# Altium PCB PCB1.PcbDoc
Units mil, origin at the board's own origin, x right, y up, seen from the top; angles counter-clockwise.
Board outline 1850.39 x 1850.39 mil, 4 copper layers (Top Layer, PowerAndSingle, Ground, Bottom Layer), stack 23.756 mil thick; 85 components, 66 nets, 354 pads, 332 vias.
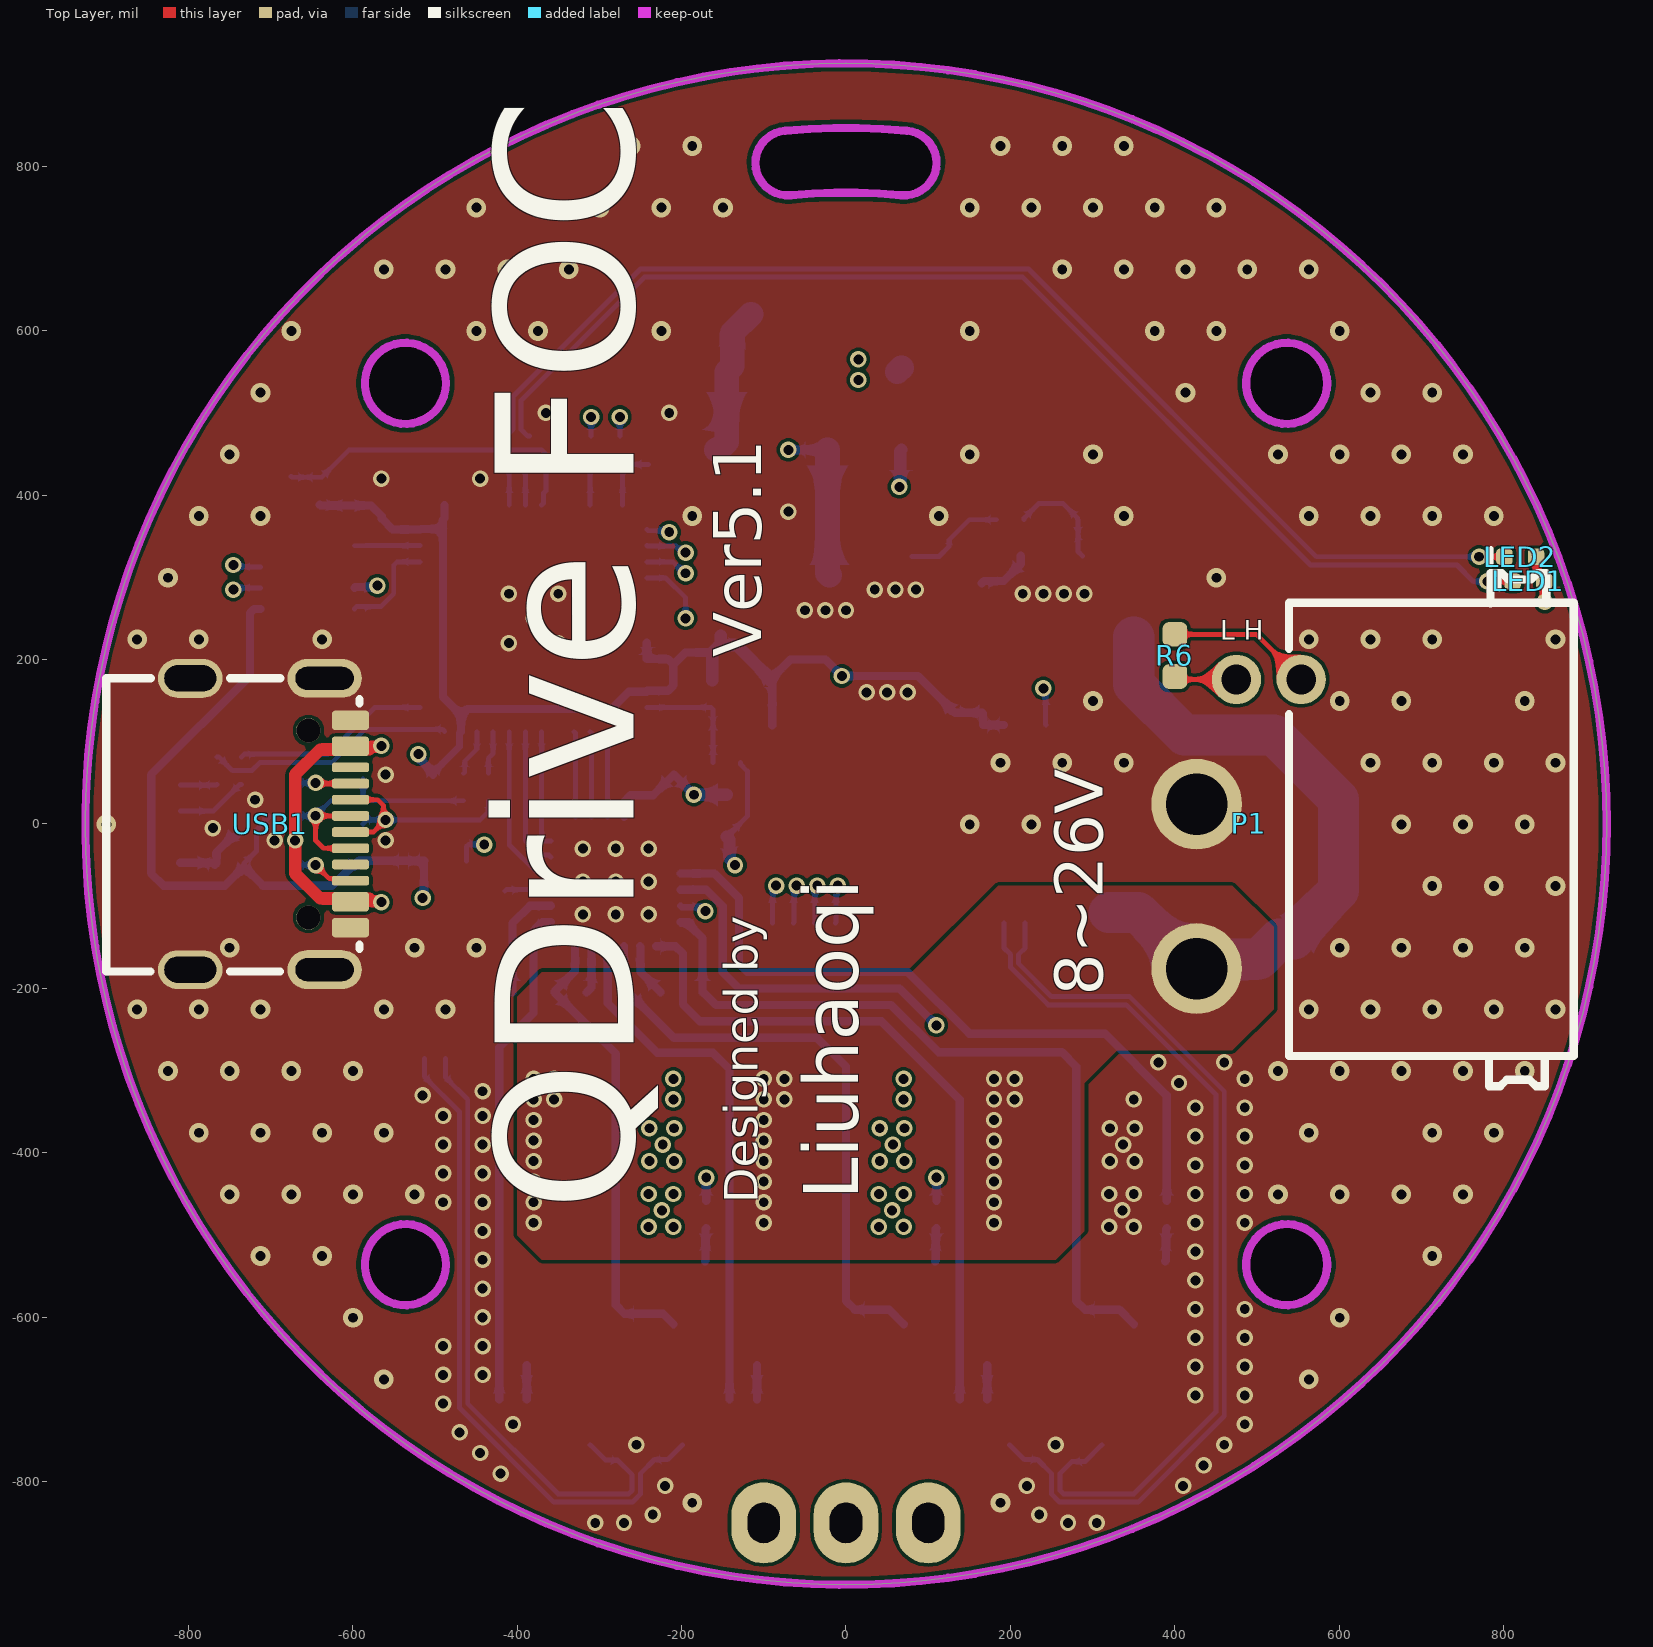
[diagram p0: Top Layer view]
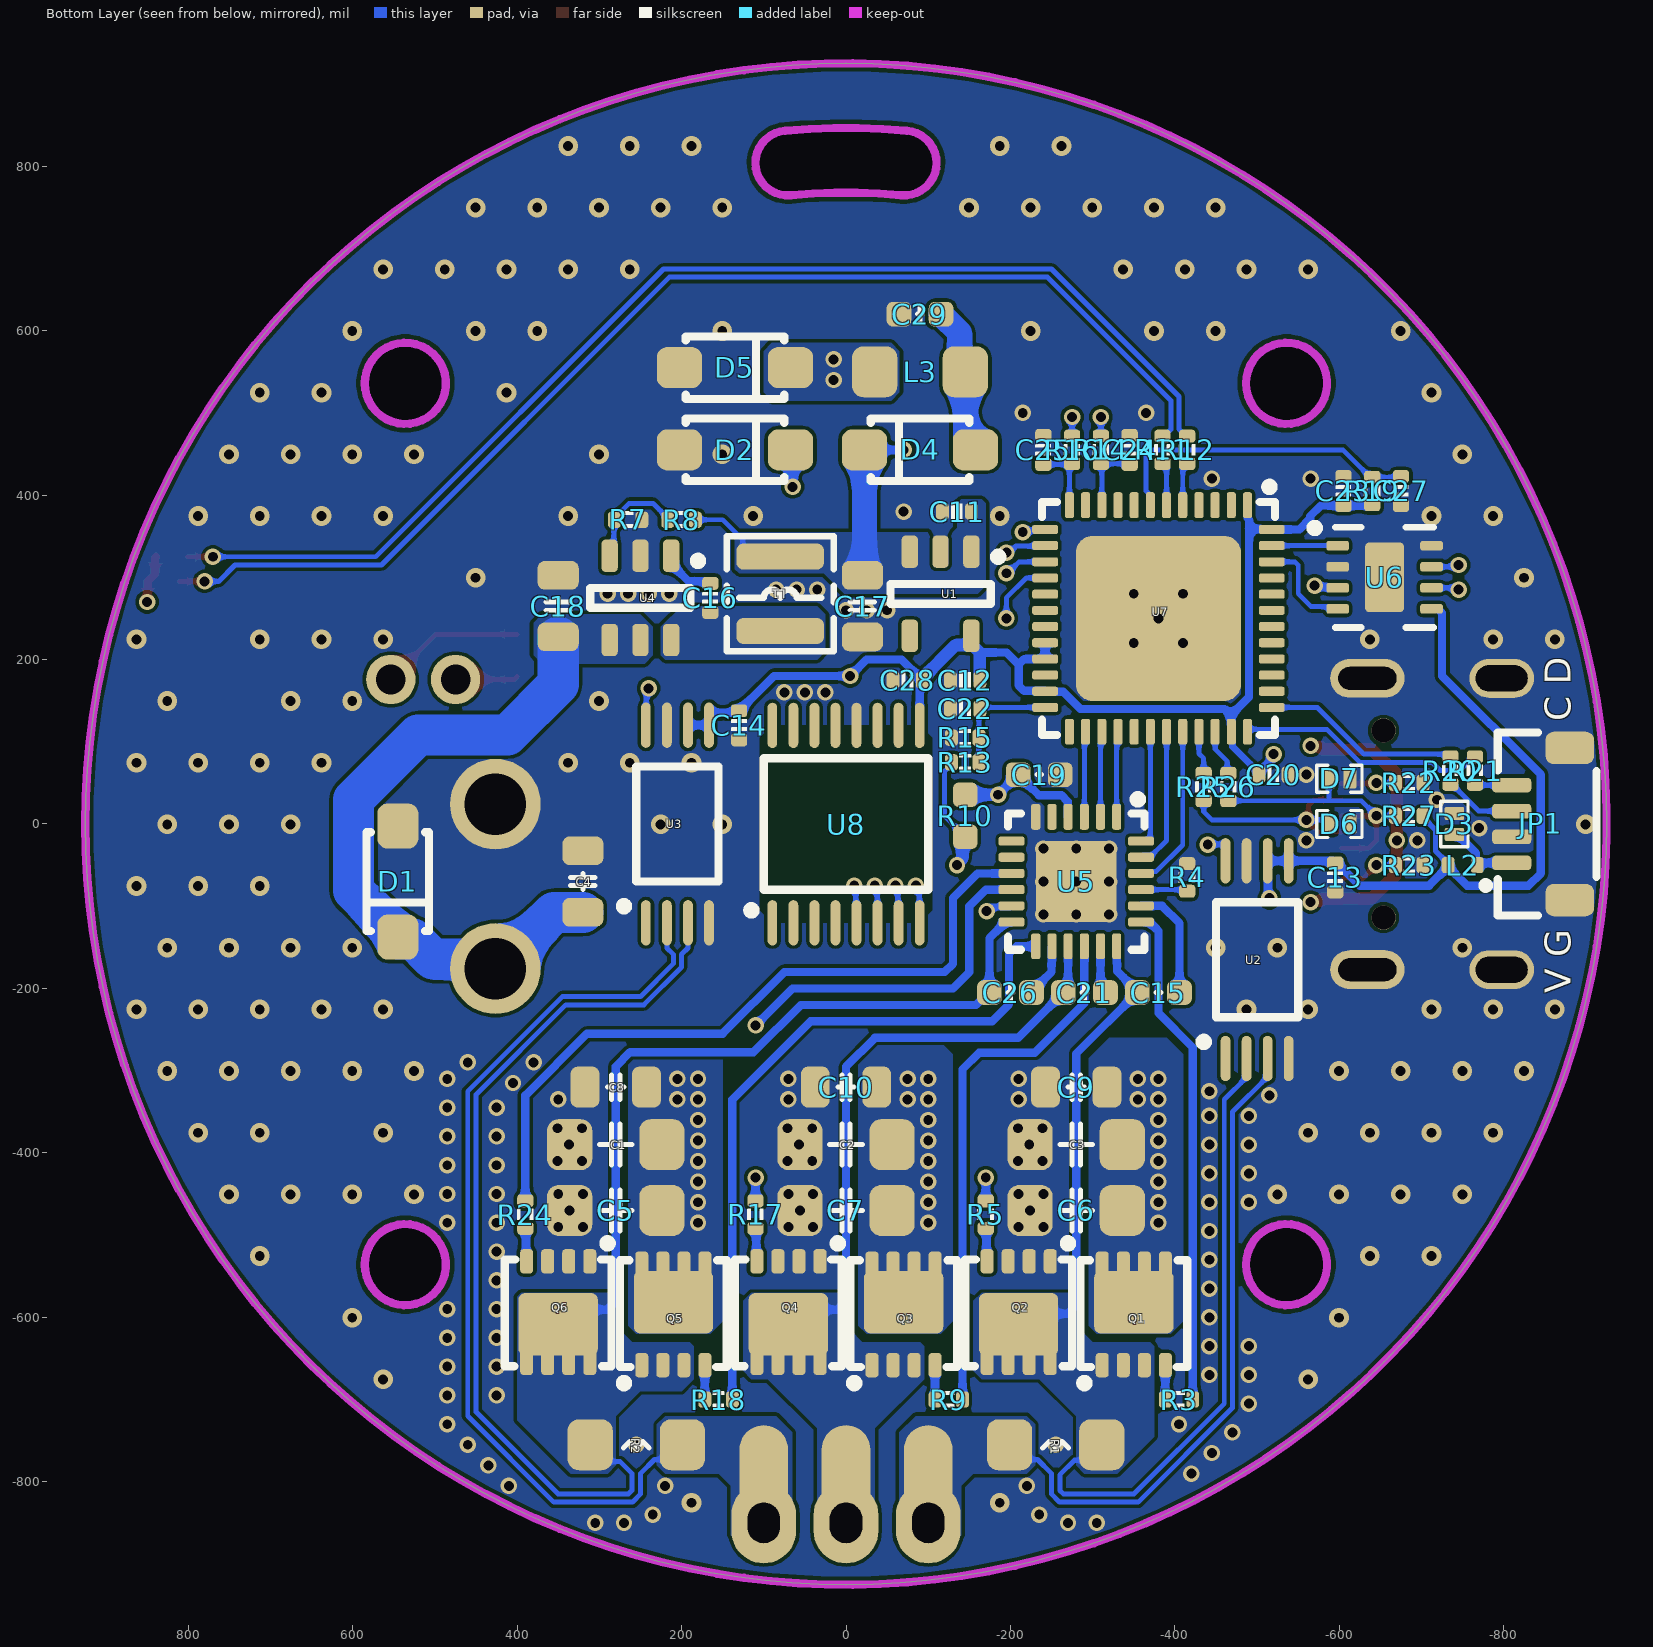
[diagram p1: Bottom Layer view, seen from below]
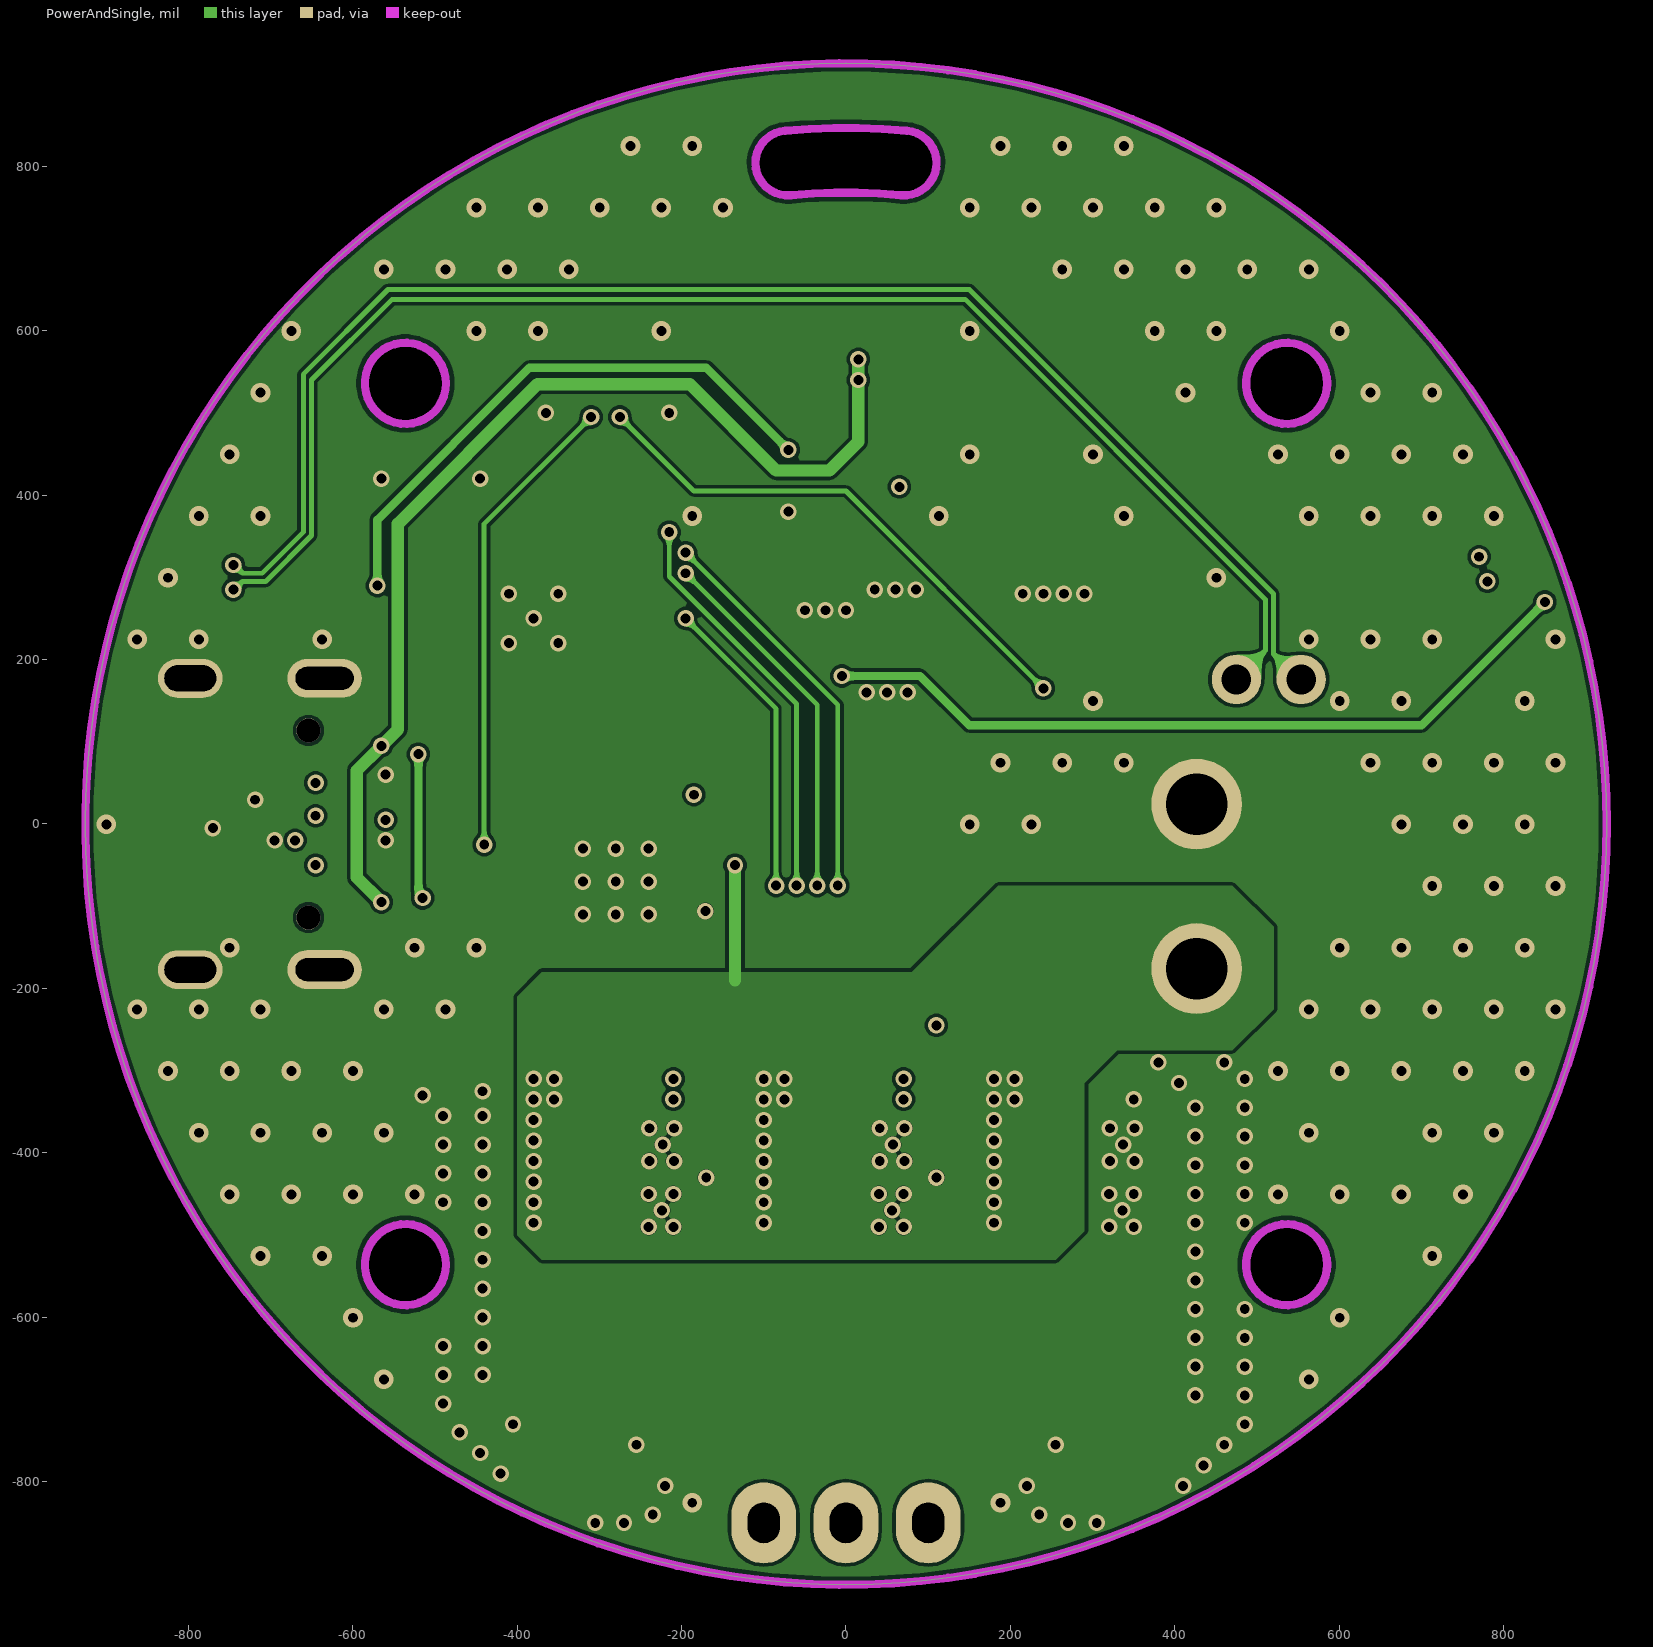
[diagram p2: PowerAndSingle]
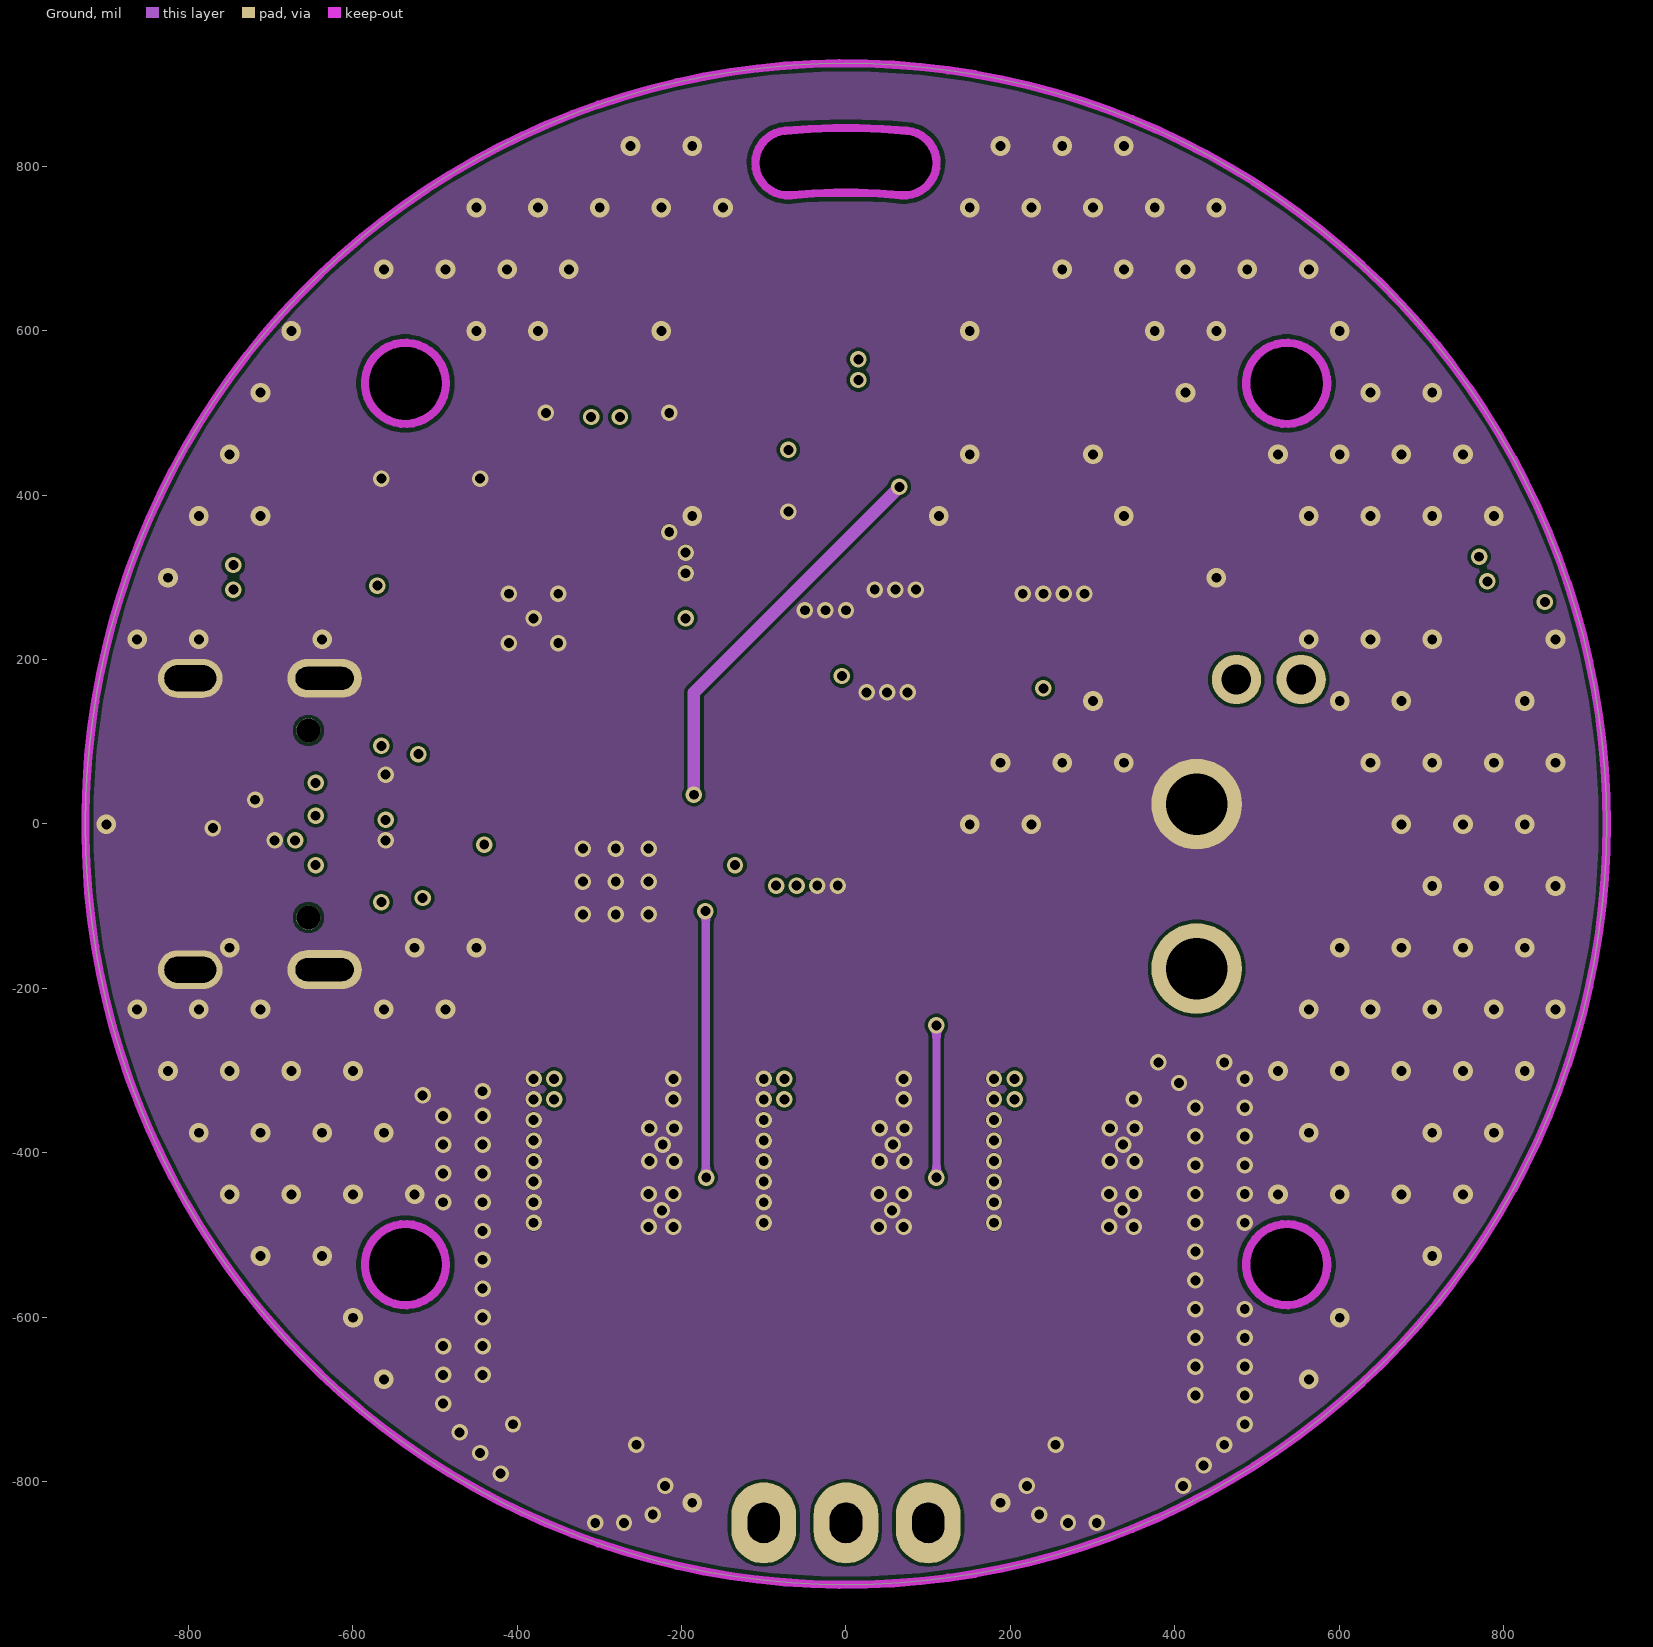
[diagram p3: Ground]
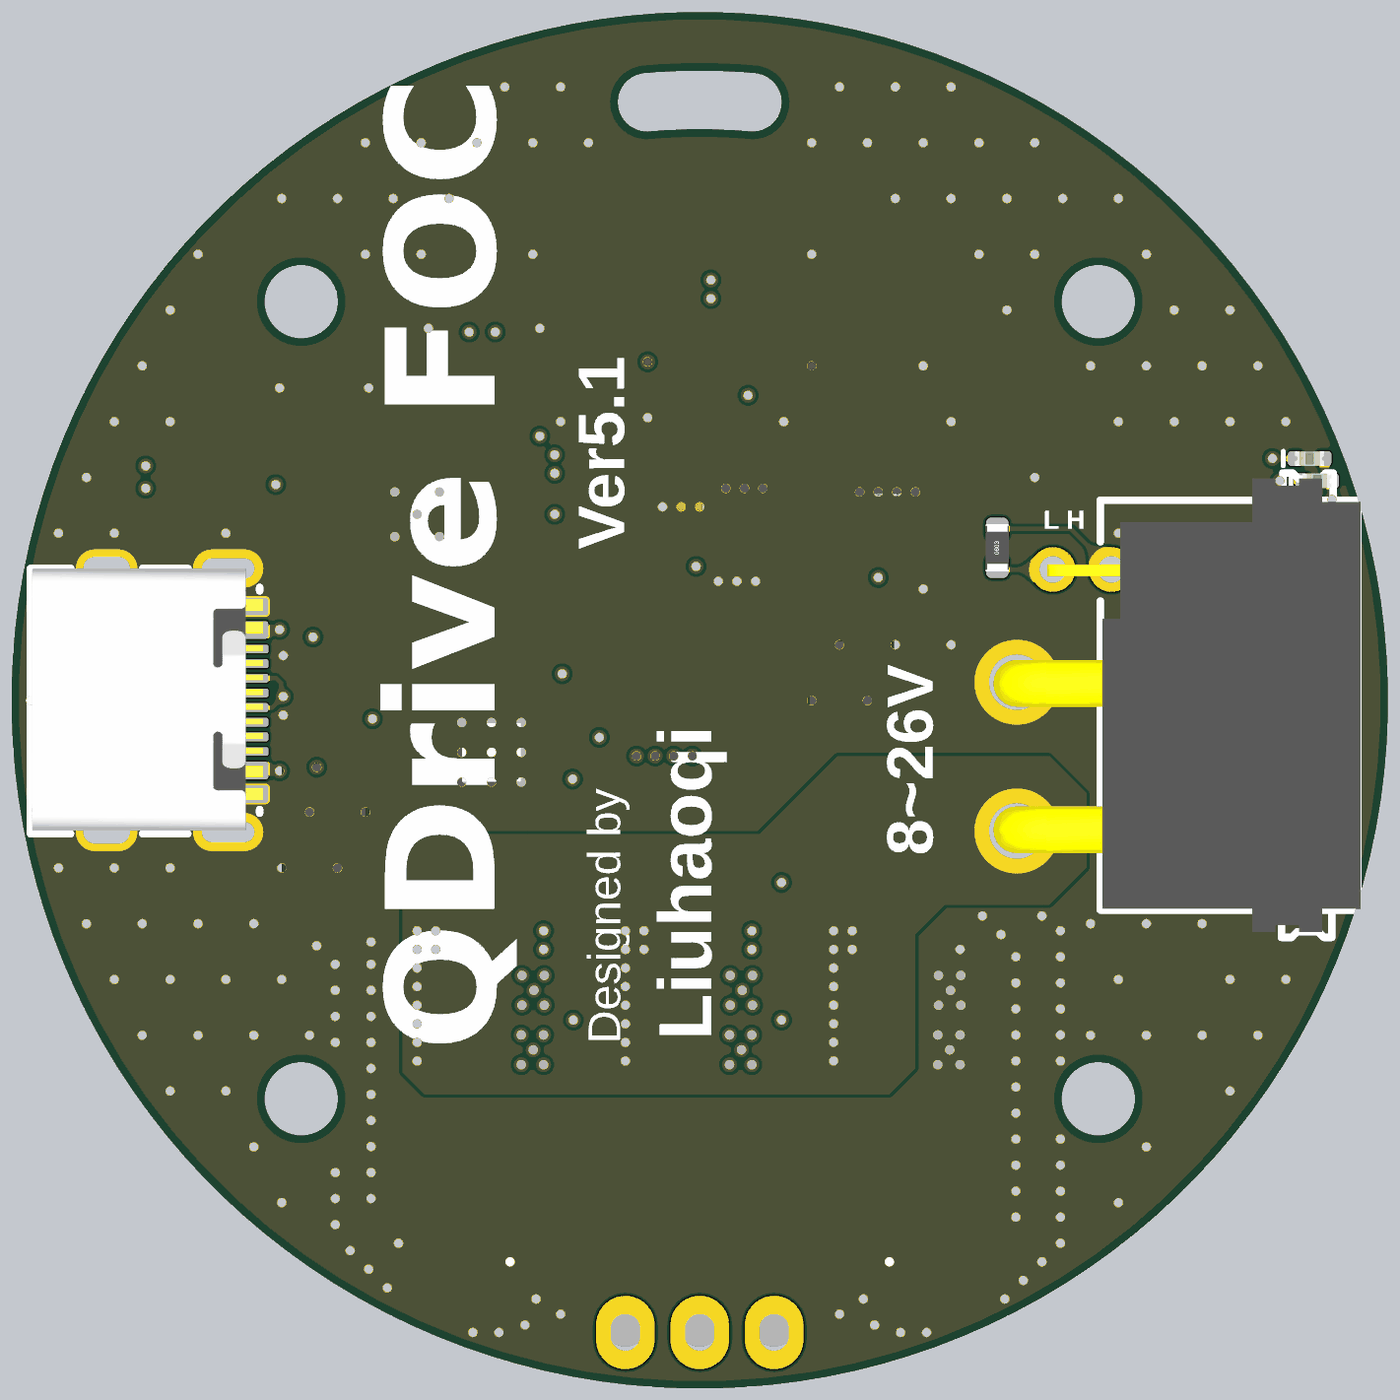
[diagram p4: 3D render of the assembled board from above, using the file's embedded part models]
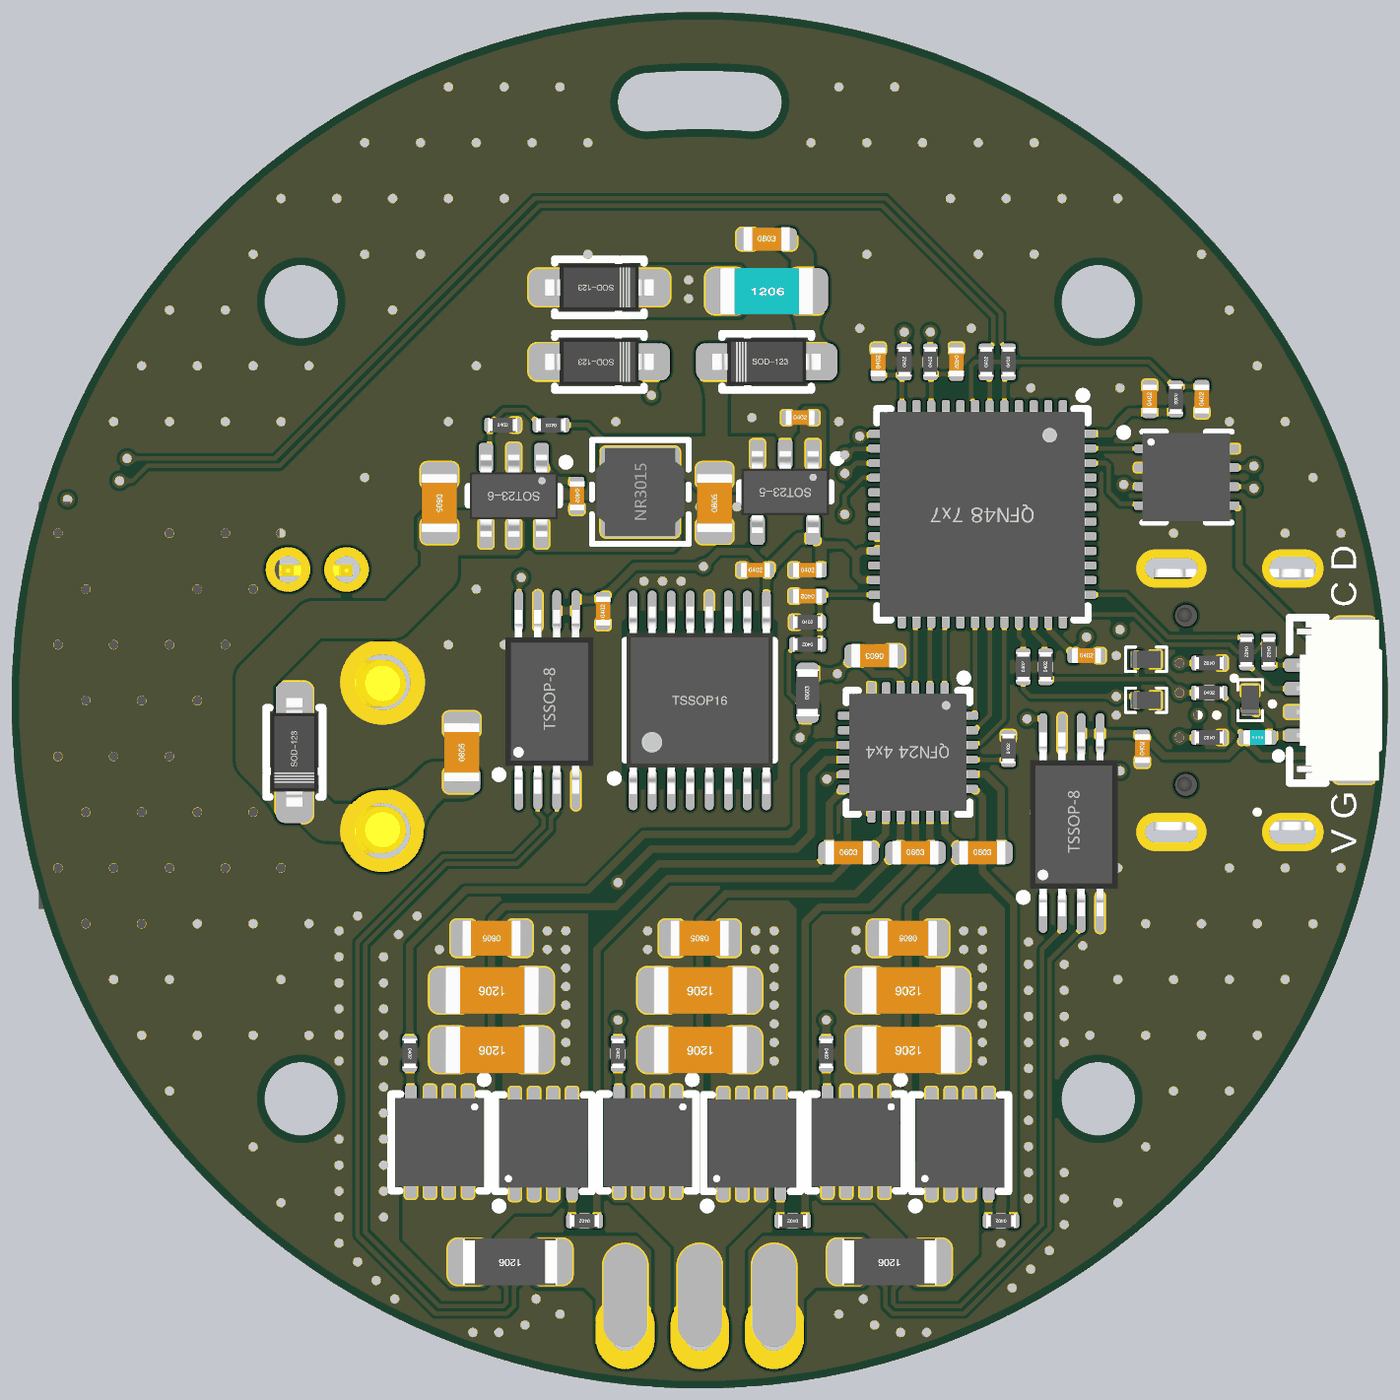
[diagram p5: 3D render of the assembled board from below, using the file's embedded part models]

## Layer stack, top to bottom
Top Solder: solder mask 0.4, Solder Resist, Dk 3.5
Top Layer: signal copper 1.4
Dielectric 2: prepreg 2.8, PP-006, Dk 4.1
PowerAndSingle: signal copper 1.378
Dielectric 1: dielectric 12.6, FR-4, Dk 4.8
Ground: signal copper 1.378
Dielectric 3: prepreg 2.8, PP-006, Dk 4.1
Bottom Layer: signal copper 1.4
Bottom Solder: solder mask 0.4, Solder Resist, Dk 3.5

## Board outline
0,-925.2 cw(c0,0) -925.2,0 cw(c0,0) 0,925.2 cw(c0,0) 925.2,0 cw(c0,0)
cut-out: -66.91,764.8 cw(c-70.83,803.97) -73.77,843.24 cw(c0,0.01) 73.77,843.24 cw(c70.83,803.97) 66.91,764.8 ccw(c0,0)
cut-out: -535.9,486.59 cw(c-535.9,535.9) -585.21,535.9 cw(c-535.9,535.9) -535.9,585.21 cw(c-535.9,535.9) -486.59,535.9 cw(c-535.9,535.9)
cut-out: 535.9,486.59 cw(c535.9,535.9) 486.59,535.9 cw(c535.9,535.9) 535.9,585.21 cw(c535.9,535.9) 585.21,535.9 cw(c535.9,535.9)
cut-out: 486.59,-535.9 ccw(c535.9,-535.9) 535.9,-585.21 ccw(c535.9,-535.9) 585.21,-535.9 ccw(c535.9,-535.9) 535.9,-486.59 ccw(c535.9,-535.9)
cut-out: -535.9,-585.21 cw(c-535.9,-535.9) -585.21,-535.9 cw(c-535.9,-535.9) -535.9,-486.59 cw(c-535.9,-535.9) -486.59,-535.9 cw(c-535.9,-535.9)

## Design rules (kind name [scope] priority, off if disabled: settings)
AcuteAngle [All] p1: minimum=4.50000000000000E+0001 checktracksonly=FALSE
BoardOutlineClearance [All] p1: gap=10 ignorepadtopadclearanceinfootprint=FALSE
Clearance [All] p1: gap=4 ignorepadtopadclearanceinfootprint=TRUE
HoleSize [All] p1: absolutevalues=TRUE maxlimit=100 minlimit=5 maxpercent=80.000 minpercent=20.000
MinimumAnnularRing [All] p1: minimumring=3
MinimumSolderMaskSliver [All] p1: minsoldermaskwidth=3.2
PlaneClearance [All] p1: clearance=10
PlaneConnect [All] p1: planeconnectstyle=Direct reliefexpansion=20 reliefentries=4 reliefconductorwidth=10 reliefairgap=10
PolygonConnect [All] p1: connectstyle=Direct reliefconductorwidth=10 reliefentries=4 polygonreliefangle="90 Angle" airgapwidth=10
RoutingVias [All] p1: holewidth=12 width=24 viastyle="Through Hole" minholewidth=12 minwidth=16 maxholewidth=30 maxwidth=50
SMDEntry [All] p1: side=TRUE corner=TRUE anyangle=FALSE
SMDToCorner [All] p1: distance=0
SMDToPlane [All] p1: distance=0
SilkToSilkClearance [All] p1: silktosilkclearance=0
SilkToSolderMaskClearance [IsPad] p1: minsilkscreentomaskgap=0 clearancetoexposedcopper=TRUE
SolderMaskExpansion SolderMaskExpansion_Vias [IsVia] p1: expansion=2.5 istentingtop=TRUE
SolderMaskExpansion [All] p2: expansion=2 istentingtop=FALSE
SupplyNets "Schematic Supply Nets_3" [InNet('VBAT')] p1: voltage=0.000
SupplyNets "Schematic Supply Nets_2" [InNet('+5')] p2: voltage=0.000
SupplyNets "Schematic Supply Nets_1" [InNet('+3.3')] p3: voltage=0.000
SupplyNets "Schematic Supply Nets" [InNet('GND')] p4: voltage=0.000
UnRoutedNet [All] p1: checkbadconnections=TRUE
Width [All] p1: maxlimit=300 minlimit=4 preferedwidth=10
23 further rules are at their usual default settings.
